# KiCad board Wrap030-ITX.kicad_pcb (continued)
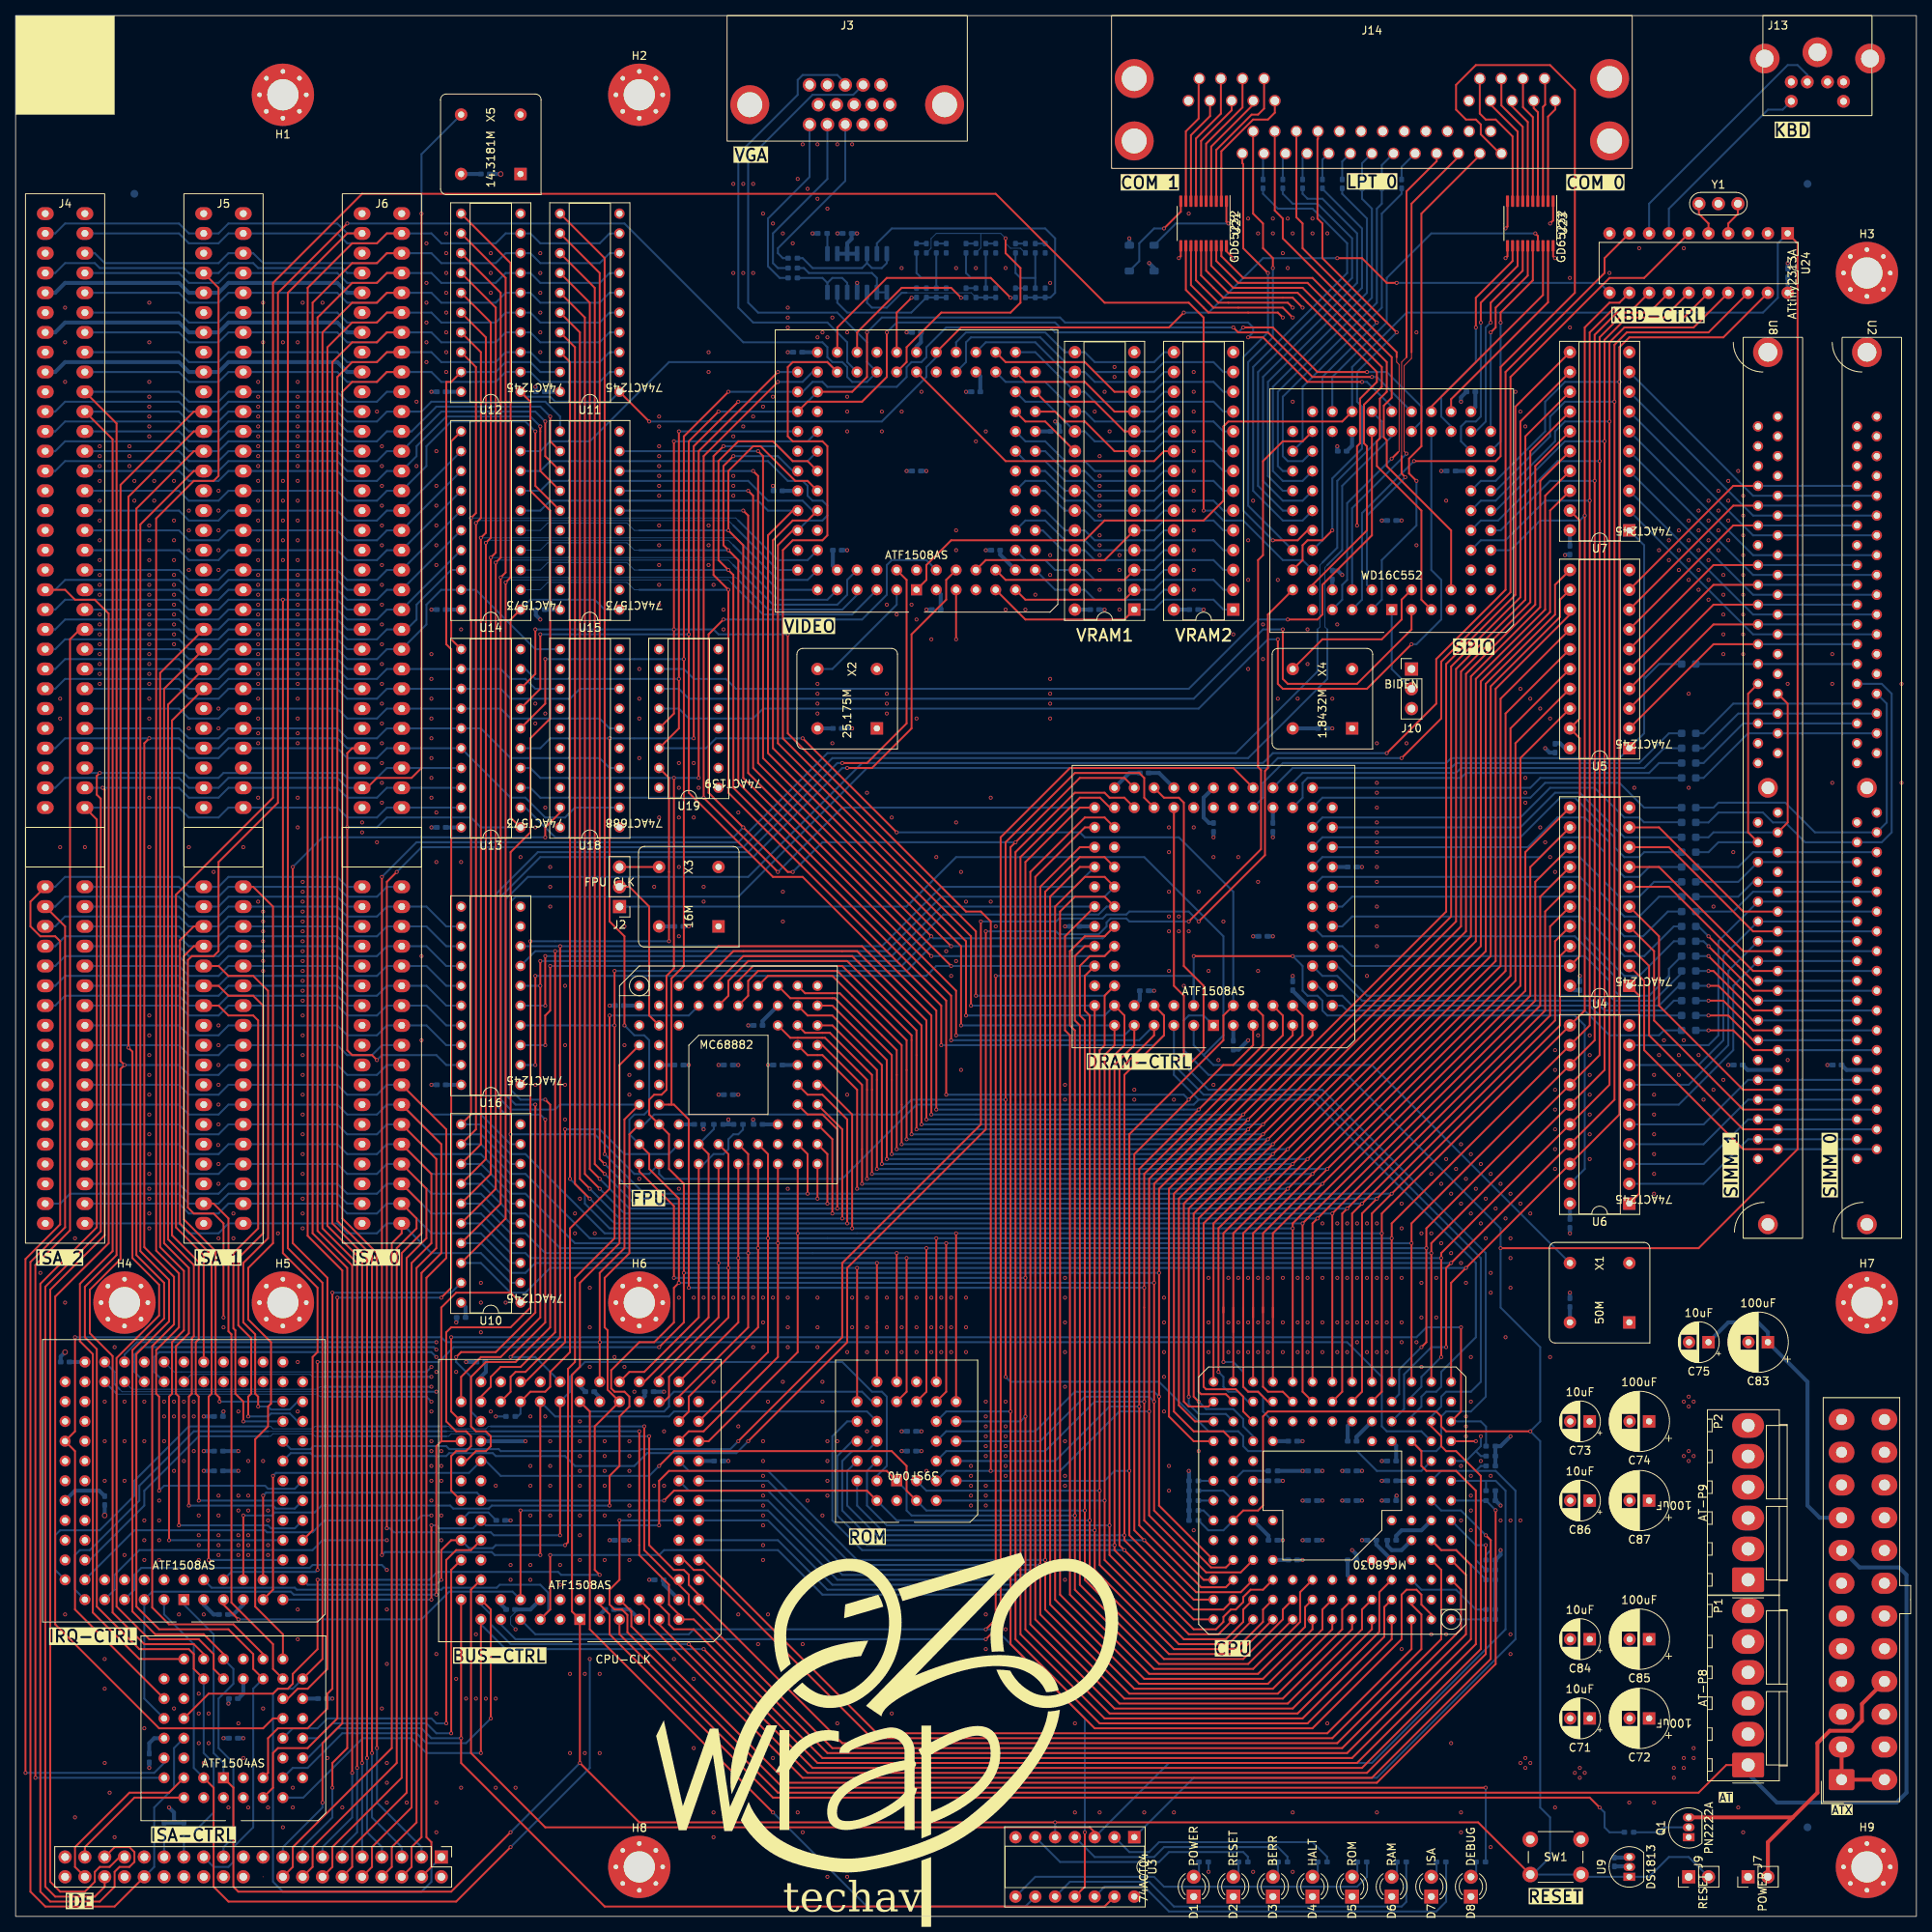
[diagram p0: board, top side]
## Routing (per net, layer and track width the routed paths; a pad name or vN(x,y) marks a point on that pad's centre or on a via; arc(x,y) is an arc through that point) (continued)
CPU-A19: length 399.8
  Top w0.254: v1(70.48,47.62) 70.87,48.01 70.87,70.23 71.75,71.12 71.75,81.92 76.84,87 v1(76.84,114.3) v1(76.84,121.28) ; GLUE1.68 55.88,48.26 54.61,46.99 v1(54.61,43.18) ; RAMC1.68 137.16,124.46 135.89,123.19 135.89,114.94 136.53,114.3 136.53,42.55 146.69,32.39 158.11,32.39 CPU1.A9 ; v1(120.01,124.46) 95.88,148.59 95.88,187.32 v1(95.25,187.96)
  Bottom w0.254: U32.12 37.46,42.55 53.98,42.55 v1(54.61,43.18) ; GLUE1.68 58.17,47.24 61.21,47.24 61.6,47.62 v1(70.48,47.62) ; v1(76.84,121.28) 114.3,121.28 117.47,124.46 v1(120.01,124.46) RAMC1.68 ; v1(76.84,114.3) U16.4 ; U15.9 v1(95.25,187.96)
CPU-A20: length 213.5
  Top w0.254: v1(67.94,123.19) v1(67.94,116.84) ; RAMC1.64 134.62,125.73 134.62,113.67 135.25,113.03 135.25,41.28 145.41,31.12 159.38,31.12 165.42,37.15 165.42,39.69 CPU1.B8
  Bottom w0.254: RAMC1.64 118.75,129.54 112.39,123.19 v1(67.94,123.19) ; v1(67.94,116.84) U16.5
CPU-A21: length 278
  Top w0.254: CPU1.A8 166.37,36.83 160.02,30.48 144.78,30.48 133.98,41.28 133.98,128.91 135.89,130.81 139.7,130.81 RAMC1.65 ; GLUE1.54 57.15,69.22 59.69,71.75 62.23,71.75 67.31,76.84 v1(67.31,119.38) v1(67.31,122.56)
  Bottom w0.254: RAMC1.65 139.95,129.54 138.94,128.52 119,128.52 113.03,122.56 v1(67.31,122.56) ; v1(67.31,119.38) U16.6
CPU-A22: length 288.2
  Top w0.254: v1(69.22,123.83) 69.22,74.93 64.77,70.49 62.23,70.49 60.96,69.22 60.96,67.94 59.69,66.68 GLUE1.55 ; CPU1.B7 167.64,39.37 167.64,36.83 160.66,29.84 144.14,29.84 133.35,40.64 133.35,129.54 137.16,133.35 139.7,133.35 RAMC1.63
  Bottom w0.254: U16.7 66.68,123.83 v1(69.22,123.83) 111.76,123.83 118.75,130.81 139.7,130.81 RAMC1.63
CPU-A23: length 283.4
  Top w0.254: GLUE1.52 63.5,67.31 63.5,69.22 64.13,69.85 65.41,69.85 69.85,74.3 v1(69.85,124.46) ; RAMC1.60 136.53,134.62 132.72,130.81 132.72,40 143.51,29.21 161.29,29.21 168.91,36.83 CPU1.A7
  Bottom w0.254: RAMC1.60 135.89,132.08 118.75,132.08 111.12,124.46 U16.8
CPU-A24: length 200.1
  Top w0.254: RAMC1.58 136.53,137.16 131.44,132.08 131.44,38.74 142.24,27.94 162.56,27.94 171.45,36.83 CPU1.A6
  Bottom w0.254: v1(131.44,45.09) 107.31,45.09 96.52,55.88 GLUE1.24
CPU-A25: length 205.9
  Top w0.254: RAMC1.61 139.7,135.89 136.53,135.89 132.08,131.44 132.08,39.37 142.88,28.58 161.92,28.58 170.18,36.83 170.18,39.37 CPU1.B6
  Bottom w0.254: GLUE1.27 86.36,57.15 96.52,57.15 107.95,45.72 v1(132.08,45.72)
CPU-A26: length 211
  Top w0.254: CPU1.A5 173.99,36.83 163.83,26.67 140.97,26.67 130.17,37.47 130.17,133.99 137.16,140.97 139.7,140.97 RAMC1.57
  Bottom w0.254: v1(130.17,43.81) 106.04,43.81 96.52,53.34 GLUE1.22
CPU-A27: length 210.6
  Top w0.254: CPU1.B5 172.72,39.37 172.72,36.83 163.19,27.31 141.6,27.31 130.81,38.1 130.81,133.35 137.16,139.7 RAMC1.56
  Bottom w0.254: GLUE1.25 86.36,54.61 96.52,54.61 106.68,44.45 v1(130.81,44.45)
CPU-A28: length 223.2
  Top w0.254: RAMC1.52 142.24,143.51 140.33,143.51 139.7,144.15 135.89,144.15 128.27,136.53 v1(128.27,41.91) 128.27,35.56 139.06,24.77 165.73,24.77 176.53,35.56 CPU1.A4
  Bottom w0.254: GLUE1.18 97.79,48.26 104.14,41.91 v1(128.27,41.91)
CPU-A29: length 220.8
  Top w0.254: RAMC1.55 140.38,142.24 139.11,143.51 136.53,143.51 128.91,135.89 128.91,36.19 139.7,25.4 165.1,25.4 175.58,35.88 175.58,39.69 CPU1.B4
  Bottom w0.254: GLUE1.20 96.52,50.8 104.78,42.55 v1(128.91,42.55)
CPU-A30: length 108.9
  Top w0.254: GLUE1.16 88.26,45.72 110.49,23.5 168.28,23.5 179.07,34.29 CPU1.A3
CPU-A31: length 116.3
  Top w0.254: CPU1.B3 179.07,40 180.34,38.74 180.34,34.29 168.91,22.86 109.85,22.86 88.26,44.45 87,44.45 85.72,45.72 GLUE1.17
CPU-CLK: length 451.2
  Top w0.254: U17.43 25.4,16.51 25.4,3.81 27.3,1.91 56.51,1.91 v1(63.5,8.89)
  In1.Cu w0.254: X1.5 196.22,80.65 196.22,60.33 CPU1.E1 187.32,45.09 187.32,34.93 184.15,31.75 74.93,31.75 v1(73.66,33.02) 69.85,36.83 GLUE1.83
  Bottom w0.254: J2.1 114.3,129.54 120.65,135.89 144.78,135.89 154.94,125.73 154.94,113.03 152.4,110.49 ; X1.5 173.99,109.22 153.67,109.22 152.4,110.49 ; 152.4,110.49 151.13,111.76 RAMC1.83 ; v1(73.66,33.02) 73.66,19.05 v1(63.5,8.89) ; U17.43 22.86,19.05 22.86,34.93 19.05,38.74 U32.83
CPU-D0: length 255.7
  Top w0.254: v1(117.47,102.87) 117.47,115.57 108.58,124.46 90.17,124.46 U1.A3 ; U7.11 192.41,193.68 192.41,169.55 183.51,160.66 183.51,128.91 v1(157.48,102.87) 147.95,93.34 147.95,64.14 151.13,60.96 CPU1.K13
  Bottom w0.254: v1(157.48,102.87) v1(117.47,102.87)
CPU-D1: length 252.3
  Top w0.254: CPU1.K12 154.94,62.23 151.13,62.23 148.59,64.77 148.59,92.71 v1(158.11,102.24) 184.15,128.27 184.15,160.34 193.04,169.23 193.04,191.77 U7.12 ; U1.A4 92.07,123.83 107.95,123.83 116.84,114.94 v1(116.84,102.24)
  Bottom w0.254: v1(116.84,102.24) v1(158.11,102.24)
CPU-D2: length 243.9
  Top w0.254: U7.13 193.67,189.87 193.67,168.91 184.78,160.02 184.78,127.64 v1(158.11,100.97) 149.22,92.08 149.22,65.56 151.29,63.5 CPU1.L13 ; v1(115.57,100.97) 115.57,113.67 106.68,122.56 93.98,122.56 91.44,120.02 91.44,118.11 U1.B5
  Bottom w0.254: v1(115.57,100.97) v1(158.11,100.97)
CPU-D3: length 240
  Top w0.254: U7.14 194.31,187.96 194.31,168.59 185.42,159.7 185.42,127 v1(160.02,101.6) 149.86,91.44 149.86,66.04 150.5,65.41 153.03,65.41 CPU1.M13 ; v1(116.2,101.6) 116.2,114.3 107.31,123.19 93.34,123.19 90.17,120.02 U1.A5
  Bottom w0.254: v1(116.2,101.6) v1(160.02,101.6)
CPU-D4: length 236.8
  Top w0.254: v1(150.5,66.68) 150.5,90.81 v1(160.02,100.33) 186.05,126.37 186.05,159.38 194.94,168.28 194.94,186.06 U7.15 ; v1(114.94,100.33) 114.94,113.03 106.04,121.92 94.62,121.92 92.71,120.02 U1.A6
  Bottom w0.254: v1(150.5,66.68) 150.5,65.72 151.76,64.45 155.26,64.45 CPU1.L12 ; v1(114.94,100.33) v1(160.02,100.33)
CPU-D5: length 239.5
  Top w0.254: v1(114.3,99.69) 114.3,112.4 105.41,121.28 95.25,121.28 93.98,120.02 93.98,118.11 U1.B6 ; U7.16 195.58,184.15 195.58,167.96 186.69,159.07 186.69,125.73 v1(160.66,99.69) 151.13,90.17 151.13,66.68 v1(151.76,66.04)
  Bottom w0.254: v1(151.76,66.04) 152.72,65.09 156.21,65.09 157.48,63.82 157.48,62.87 158.75,61.59 CPU1.K11 ; v1(114.3,99.69) v1(160.66,99.69)
CPU-D6: length 225.8
  Top w0.254: U1.A7 96.52,120.65 104.78,120.65 113.66,111.76 v1(113.66,99.06) ; CPU1.M12 155.26,66.99 152.08,66.99 151.76,67.31 151.76,89.53 v1(161.29,99.06) 187.32,125.09 187.32,158.75 196.22,167.64 196.22,182.25 U7.17
  Bottom w0.254: v1(113.66,99.06) v1(161.29,99.06)
CPU-D7: length 223.6
  Top w0.254: U7.18 196.85,180.34 196.85,167.32 187.96,158.43 187.96,124.46 v1(161.29,97.79) 152.4,88.9 152.4,67.94 152.72,67.63 156.53,67.63 157.48,66.68 157.48,64.77 CPU1.L11 ; U1.A8 99.38,117.79 105.09,117.79 112.39,110.49 v1(112.39,97.79)
  Bottom w0.254: v1(112.39,97.79) v1(161.29,97.79)
CPU-D8: length 202.1
  Top w0.254: v1(113.03,98.43) 113.03,111.12 105.73,118.43 101.28,118.43 U1.A9 ; U5.11 197.48,170.81 197.48,167 188.59,158.12 188.59,123.83 v1(163.19,98.43) 153.67,88.9 CPU1.N13
  Bottom w0.254: v1(113.03,98.43) v1(163.19,98.43)
CPU-D9: length 204.2
  Top w0.254: v1(154.3,69.85) 154.3,88.27 v1(160.66,94.62) 189.23,123.19 189.23,157.8 198.12,166.69 198.12,168.91 U5.12 ; U1.C8 99.38,112.71 103.82,112.71 109.22,107.31 v1(109.22,94.62)
  Bottom w0.254: v1(154.3,69.85) 154.94,69.22 154.94,67.94 155.57,67.31 156.84,67.31 158.11,66.04 CPU1.M11 ; v1(109.22,94.62) v1(160.66,94.62)
CPU-D10: length 206.7
  Top w0.254: U1.B9 101.6,115.57 104.78,115.57 111.12,109.22 v1(111.12,96.52) ; v1(154.94,71.12) 154.94,78.11 ; 154.94,77.47 154.94,87.63 v1(163.83,96.52) 189.86,122.56 189.86,157.48 199.39,167 U5.13
  Bottom w0.254: v1(154.94,71.12) 156.21,71.12 157.48,69.85 157.48,67.94 158.11,67.31 159.38,67.31 160.02,66.68 160.02,64.77 CPU1.L10 ; v1(111.12,96.52) v1(163.83,96.52)
CPU-D11: length 196
  Top w0.254: CPU1.N12 156.21,78.11 ; U1.B10 104.78,116.84 111.76,109.86 v1(111.76,97.16) ; U5.14 190.5,156.21 190.5,121.92 v1(165.73,97.16) 156.21,87.63 156.21,74.93
  Bottom w0.254: v1(111.76,97.16) v1(165.73,97.16)
CPU-D12: length 195.8
  Top w0.254: v1(107.95,93.34) 107.95,106.05 103.5,110.49 101.6,110.49 U1.D9 ; 157.48,78.11 157.48,67.94 158.11,67.31 159.38,67.31 160.66,66.04 CPU1.M10 ; 157.48,76.84 157.48,87.63 v1(163.19,93.34) 191.13,121.28 191.13,154.31 U5.15
  Bottom w0.254: v1(107.95,93.34) v1(163.19,93.34)
CPU-D13: length 190.9
  Top w0.254: U5.16 191.77,152.4 191.77,120.65 v1(166.37,95.25) 158.75,87.63 158.75,76.84 ; 158.75,78.11 CPU1.N11 ; v1(109.85,95.25) 109.85,107.95 104.46,113.35 101.28,113.35 U1.C9
  Bottom w0.254: v1(109.85,95.25) v1(166.37,95.25)
CPU-D14: length 191.5
  Top w0.254: U1.C10 104.78,114.3 110.49,108.59 v1(110.49,95.89) ; U5.17 192.41,150.5 192.41,120.02 v1(168.28,95.89) 160.02,87.63 160.02,77.47 ; CPU1.M9 162.56,67.31 160.66,67.31 160.02,67.94 160.02,78.11
  Bottom w0.254: v1(110.49,95.89) v1(168.28,95.89)
CPU-D15: length 183
  Top w0.254: CPU1.N10 161.29,78.11 ; U5.18 193.04,148.59 193.04,119.38 v1(167.64,93.98) 161.29,87.63 161.29,76.84 ; v1(108.58,93.98) 108.58,106.68 103.5,111.76 U1.D10
  Bottom w0.254: v1(108.58,93.98) v1(167.64,93.98)
CPU-D16: length 311.7
  Top w0.254: CPU1.N9 v1(163.83,88.27) 163.83,88.9 193.67,118.75 193.67,136.53 U4.11 ; v1(107.31,88.27) 107.31,102.87 103.5,106.68 U1.F10 ; v1(71.12,94.62) 71.12,199.39 U11.18
  Bottom w0.254: v1(163.83,88.27) 76.2,88.27 73.03,91.44 73.03,92.71 v1(71.12,94.62)
CPU-D17: length 315.4
  Top w0.254: U11.17 71.75,201.3 71.75,93.98 v1(73.66,92.08) ; U4.12 194.31,134.62 194.31,118.11 v1(165.1,88.9) 165.1,67.31 CPU1.M8 ; U1.F9 101.6,105.41 103.5,105.41 106.68,102.24 v1(106.68,88.9)
  Bottom w0.254: v1(165.1,88.9) 76.84,88.9 v1(73.66,92.08)
CPU-D18: length 307.1
  Top w0.254: U4.13 194.94,132.72 194.94,117.47 v1(167,89.53) 166.37,88.9 CPU1.N8 ; U11.16 72.39,203.2 72.39,94.62 v1(73.66,93.34) ; U1.G10 106.04,100.97 v1(106.04,89.53)
  Bottom w0.254: v1(167,89.53) 77.47,89.53 v1(73.66,93.34)
CPU-D19: length 303.2
  Top w0.254: U4.14 195.58,130.81 195.58,116.84 v1(168.91,90.17) CPU1.N7 ; U1.H10 104.78,99.69 v1(104.78,90.17) ; U11.15 73.03,205.11 73.03,95.25 v1(74.93,93.34)
  Bottom w0.254: v1(168.91,90.17) 78.1,90.17 v1(74.93,93.34)
CPU-D20: length 311
  Top w0.254: v1(105.41,90.81) 105.41,100.97 103.5,102.87 101.6,102.87 U1.G9 ; U11.14 73.66,207.01 73.66,95.89 v1(74.93,94.62) ; U4.15 196.22,128.91 196.22,116.21 v1(170.81,90.81) 170.18,90.17 170.18,67.31 CPU1.M7
  Bottom w0.254: v1(170.81,90.81) 78.74,90.81 v1(74.93,94.62)
CPU-D21: length 299.9
  Top w0.254: v1(104.14,91.44) 104.14,97.79 U1.J10 ; U4.16 196.85,127 196.85,115.57 v1(172.72,91.44) 171.45,90.17 CPU1.N6 ; U11.13 74.29,208.92 74.29,96.52 v1(75.56,95.25)
  Bottom w0.254: v1(75.56,95.25) 79.38,91.44 v1(172.72,91.44)
CPU-D22: length 299.6
  Top w0.254: U4.17 197.48,125.09 197.48,114.94 v1(174.62,92.08) 172.72,90.17 172.72,67.31 CPU1.M6 ; U11.12 74.93,210.82 74.93,97.16 v1(75.56,96.52) ; U1.K10 v1(102.87,92.08)
  Bottom w0.254: v1(75.56,96.52) 80.01,92.08 v1(174.62,92.08)
CPU-D23: length 299.4
  Top w0.254: v1(75.56,97.79) 75.56,212.73 U11.11 ; U4.18 198.12,123.19 198.12,114.3 v1(176.53,92.71) 173.99,90.17 CPU1.N5 ; v1(101.6,92.71) 101.6,97.79 U1.J9
  Bottom w0.254: v1(75.56,97.79) 80.65,92.71 v1(101.6,92.71) v1(176.53,92.71)
CPU-D24: length 573.3
  Top w0.254: U12.18 59.05,198.75 59.05,180.02 v1(58.42,179.39) 58.42,102.87 U10.11 ; GLUE1.28 88.9,60.96 100.33,72.39 v1(100.33,87.63) U1.K9 ; CPU1.M5 175.26,67.31 v1(175.26,87.63) 175.26,90.17 U6.11 201.29,116.21 v1(201.29,179.71) 201.29,203.84 204.47,207.01 205.74,207.01 U24.12 ; ROM1.13 v1(120.65,87.63)
  In1.Cu w0.254: v1(53.34,69.22) 51.43,71.12 51.43,80.96 52.39,81.92 52.39,96.84 U10.11
  Bottom w0.127: v1(58.42,179.39) 92.39,179.39 92.71,179.07 ; U32.44 22.54,69.53 37.78,69.53 38.1,69.22 39.37,69.22
  Bottom w0.254: U20.14 191.77,175.26 195.58,179.07 200.66,179.07 v1(201.29,179.71) ; VGEN1.73 101.6,173.99 97.79,173.99 92.71,179.07 ; v1(53.34,69.22) 39.37,69.22 ; v1(175.26,87.63) v1(120.65,87.63) 75.56,87.63 65.41,97.79 63.5,97.79 59.69,101.6 U10.11
CPU-D25: length 571.9
  Top w0.254: U10.12 59.05,100.97 v1(59.05,178.75) 59.69,179.39 59.69,200.66 U12.17 ; CPU1.N4 176.53,88.9 U6.12 201.93,114.3 v1(201.93,181.61) 201.93,203.2 205.1,206.38 207.64,206.38 U24.13 ; U1.J7 96.52,97.79 v1(96.52,87) 96.52,72.39 GLUE1.30 ; ROM1.14 v1(118.11,87)
  In1.Cu w0.254: U10.12 53.02,94.93 53.02,81.6 52.07,80.65 52.07,71.75 v1(53.34,70.49)
  Bottom w0.127: 39.37,69.85 20.32,69.85 U32.45 ; 92.07,178.44 91.44,179.07 59.37,179.07 v1(59.05,178.75)
  Bottom w0.254: v1(201.93,181.61) 196.22,181.61 191.13,176.53 187.96,176.53 U20.15 ; v1(53.34,70.49) 52.71,69.85 39.37,69.85 ; v1(176.53,87) v1(118.11,87) 73.66,87 65.41,95.25 63.5,95.25 59.69,99.06 U10.12 ; 92.07,178.44 97.79,172.72 VGEN1.74
CPU-D26: length 586
  Top w0.254: ROM1.15 119.38,67.31 v1(119.38,86.36) ; CPU1.N3 v1(179.07,86.36) 179.07,88.9 U6.13 202.56,112.4 v1(202.56,184.15) 202.56,202.88 205.42,205.74 209.55,205.74 U24.14 ; GLUE1.29 86.36,62.23 88.26,62.23 97.79,71.75 v1(97.79,86.36) U1.K8 ; U12.16 60.32,202.56 60.32,177.48 v1(59.69,176.85) 59.69,99.06 U10.13
  In1.Cu w0.254: v1(53.98,71.75) 52.71,73.03 52.71,80.33 53.66,81.28 53.66,93.03 U10.13
  Bottom w0.127: 92.71,176.53 92.39,176.85 v1(59.69,176.85)
  Bottom w0.254: U32.46 17.78,69.85 17.78,71.75 18.41,72.39 53.34,72.39 v1(53.98,71.75) ; U20.16 190.5,177.8 196.85,184.15 v1(202.56,184.15) ; 92.71,176.53 97.79,171.45 101.6,171.45 VGEN1.76 ; U10.13 59.69,96.52 63.5,92.71 65.41,92.71 71.75,86.36 v1(119.38,86.36) v1(179.07,86.36)
CPU-D27: length 595.4
  Top w0.254: GLUE1.31 86.36,64.77 86.36,66.68 95.25,75.56 v1(95.25,85.72) U1.K7 ; ROM1.17 116.84,67.31 v1(116.84,85.72) ; U12.15 60.96,204.47 60.96,176.85 v1(60.32,176.21) 60.32,97.16 U10.14 ; U24.15 211.45,205.11 205.74,205.11 203.2,202.56 v1(203.2,186.69) 203.2,110.49 U6.14 180.97,88.27 v1(180.97,85.72) 180.97,73.66 v1(180.34,73.03)
  In1.Cu w0.254: U10.14 54.29,91.12 54.29,80.96 53.34,80.01 53.34,73.34 v1(53.98,72.71)
  Bottom w0.127: v1(60.32,176.21) 60.64,176.53 91.44,176.53 92.07,175.9
  Bottom w0.254: v1(180.34,73.03) 177.48,70.17 177.48,66.99 CPU1.M4 ; VGEN1.75 97.79,170.18 92.07,175.9 ; U10.14 59.69,93.98 63.5,90.17 65.41,90.17 69.85,85.72 v1(116.84,85.72) v1(180.97,85.72) ; v1(53.98,72.71) 53.66,73.03 16.19,73.03 15.24,72.07 15.24,69.85 U32.48 ; U20.17 187.96,179.07 190.18,179.07 197.8,186.69 v1(203.2,186.69)
CPU-D28: length 589.4
  Top w0.254: GLUE1.34 85.09,66.68 93.98,75.56 v1(93.98,85.09) 93.98,97.79 U1.J6 ; CPU1.N2 181.61,86.36 U6.15 203.83,108.59 v1(203.83,189.23) 203.83,202.25 206.06,204.47 213.36,204.47 U24.16 ; U12.14 61.6,206.38 61.6,174.94 v1(60.96,174.31) 60.96,95.25 U10.15 ; ROM1.18 v1(113.03,85.09)
  In1.Cu w0.254: v1(53.98,73.66) 53.98,79.76 54.93,80.71 54.93,89.22 U10.15
  Bottom w0.127: 92.71,173.99 92.39,174.31 v1(60.96,174.31)
  Bottom w0.254: U10.15 59.69,91.44 63.5,87.63 65.41,87.63 67.94,85.09 v1(181.61,85.09) ; VGEN1.77 104.14,168.91 97.79,168.91 92.71,173.99 ; v1(53.98,73.66) 15.56,73.66 13.97,72.07 U32.49 ; v1(93.98,85.09) 94.62,85.09 ; U20.18 189.86,180.34 198.75,189.23 v1(203.83,189.23)
CPU-D29: length 608.1
  Top w0.254: v1(182.88,71.75) v1(182.88,84.46) 182.88,85.09 U6.16 204.47,106.68 v1(204.47,191.77) 204.47,201.93 206.38,203.84 215.26,203.84 U24.17 ; U1.K6 v1(92.71,84.46) 92.71,76.2 GLUE1.33 ; v1(114.3,84.46) 114.3,67.31 ROM1.19 ; U10.16 61.6,93.34 v1(61.6,173.67) 62.23,174.31 62.23,208.28 U12.13
  In1.Cu w0.254: v1(53.34,67.94) 54.61,69.22 54.61,78.11 55.56,79.06 55.56,87.31 U10.16
  Bottom w0.127: v1(61.6,173.67) 61.91,173.99 91.44,173.99 92.07,173.36 ; U32.50 14.92,67.63 38.73,67.63 39.05,67.94 39.37,67.94
  Bottom w0.254: VGEN1.80 106.68,171.45 106.68,169.55 105.41,168.28 97.16,168.28 92.07,173.36 ; v1(204.47,191.77) 198.75,191.77 197.48,190.5 197.48,189.23 189.86,181.61 187.96,181.61 U20.19 ; v1(53.34,67.94) 39.37,67.94 ; U10.16 59.69,88.9 63.5,85.09 65.41,85.09 66.04,84.46 v1(114.3,84.46) v1(182.88,84.46) ; CPU1.M3 179.07,66.68 180.34,67.94 180.34,69.22 v1(182.88,71.75)
CPU-D30: length 619.6
  Top w0.254: v1(183.51,73.03) 183.51,83.19 v1(184.15,83.82) U6.17 205.1,104.78 v1(205.1,194.31) 205.1,201.61 206.69,203.2 217.17,203.2 U24.18 ; ROM1.20 v1(110.49,83.82) ; U10.17 62.23,91.44 v1(62.23,171.77) 62.87,172.4 62.87,210.19 U12.12 ; GLUE1.35 82.55,69.22 90.17,76.84 v1(90.17,83.82) U1.K5
  In1.Cu w0.254: U10.17 56.2,85.41 56.2,78.58 55.24,77.63 55.24,68.58 v1(53.98,67.31)
  Bottom w0.127: 92.71,171.45 92.39,171.77 v1(62.23,171.77) ; 39.37,67.31 13.65,67.31 13.34,67.63
  Bottom w0.254: U20.20 189.86,182.88 196.85,189.87 196.85,192.41 198.75,194.31 v1(205.1,194.31) ; v1(53.98,67.31) 39.37,67.31 ; 92.71,171.45 96.52,167.64 106.04,167.64 107.95,169.55 VGEN1.79 ; U10.17 59.69,86.36 63.5,82.55 65.41,82.55 66.68,83.82 v1(184.15,83.82) ; v1(110.49,83.82) 107.95,83.82 ; CPU1.L4 178.12,65.09 178.12,69.53 181.61,73.03 v1(183.51,73.03) ; U32.51 12.7,69.85 12.7,68.26 13.34,67.63
CPU-D31: length 632.1
  Top w0.254: U24.19 219.07,202.56 207.01,202.56 205.74,201.3 v1(205.74,196.85) 205.74,102.87 U6.18 v1(186.05,83.19) 184.15,81.28 CPU1.N1 ; U10.18 62.87,89.53 v1(62.87,171.13) 63.5,171.77 63.5,212.09 U12.11 ; U1.J5 91.44,97.79 v1(91.44,83.19) 91.44,76.84 83.82,69.22 83.82,66.68 83.19,66.04 GLUE1.36 ; ROM1.21 v1(107.95,83.19)
  In1.Cu w0.254: U10.18 58.42,82.55 58.42,73.98 57.15,72.71 57.15,68.58 54.61,66.04 v1(53.34,66.04)
  Bottom w0.127: v1(62.87,171.13) 63.18,171.45 91.44,171.45 91.92,170.97 ; 39.37,66.68 39.05,66.68 38.73,66.99 13.02,66.99
  Bottom w0.254: VGEN1.81 107.31,167 95.88,167 91.92,170.97 ; 39.37,66.68 52.71,66.68 v1(53.34,66.04) ; 13.02,66.99 U32.52 ; U10.18 59.69,83.82 63.5,80.01 65.41,80.01 68.58,83.19 v1(107.95,83.19) v1(186.05,83.19) ; U20.21 187.96,184.15 189.86,184.15 196.22,190.5 196.22,194.31 198.75,196.85 v1(205.74,196.85)
FC0: length 224
  Top w0.254: CPU1.D2 182.88,44.45 182.88,35.56 169.54,22.22 106.04,22.22 GLUE1.12 87.63,41.28 86.36,42.55 86.36,43.81 85.72,44.45 84.46,44.45 81.28,47.62 v1(81.28,61.59)
  Bottom w0.127: 32.38,61.59 32.7,61.59 33.02,61.91 38.1,61.91 38.42,61.59 38.73,61.59 ; 60.96,61.59 60.64,61.59 60.32,61.91 55.88,61.91 55.56,61.59 55.24,61.59
  Bottom w0.254: v1(81.28,61.59) 60.96,61.59 ; U32.73 9.52,45.72 16.51,52.71 16.51,54.61 23.49,61.59 32.38,61.59 ; 38.73,61.59 55.24,61.59
FC1: length 234.7
  Top w0.254: v1(80.65,62.87) 80.65,46.99 84.46,43.18 GLUE1.15 85.09,42.55 86.36,41.28 86.36,40 104.78,21.59 170.18,21.59 185.42,36.83 185.42,41.91 CPU1.C1
  Bottom w0.127: 38.73,62.87 38.42,62.87 38.1,62.55 33.02,62.55 32.7,62.87 32.38,62.87 ; 55.24,62.87 55.56,62.87 55.88,62.55 60.32,62.55 60.64,62.87 60.96,62.87
  Bottom w0.254: U32.74 5.08,44.45 5.08,48.9 5.71,49.53 10.8,49.53 15.24,53.97 15.24,55.88 22.23,62.87 32.38,62.87 ; 60.96,62.87 v1(80.65,62.87) ; 38.73,62.87 55.24,62.87
FC2: length 237.3
  Top w0.254: CPU1.D1 186.05,43.81 186.05,36.19 170.81,20.96 104.14,20.96 87,38.1 GLUE1.11 85.09,38.74 83.82,40 83.82,42.55 80.01,46.36 v1(80.01,62.23)
  Bottom w0.127: 32.38,62.23 38.73,62.23 ; 55.24,62.23 60.96,62.23
  Bottom w0.254: U32.75 7.62,41.91 7.62,46.36 8.26,46.99 9.52,46.99 15.88,53.34 15.88,55.25 22.86,62.23 32.38,62.23 ; v1(80.01,62.23) 60.96,62.23 ; 38.73,62.23 55.24,62.23
ISA-IRQ2: length 226.4
  Top w0.254: v1(18.41,54.61) 18.41,66.68 18.03,67.06 18.03,72.64 20.95,75.56 20.95,82.49 18.03,85.41 18.03,179.32 22.86,184.15 25.4,184.15 26.03,184.79 26.03,208.92 J5.4
  Bottom w0.254: J6.4 42.54,210.82 41.91,211.46 31.12,211.46 30.48,212.09 27.3,212.09 26.03,210.82 J5.4 22.23,210.82 21.59,211.46 10.8,211.46 10.16,212.09 6.35,212.09 5.08,210.82 J4.4 ; v1(18.41,54.61) 19.05,55.25 32,55.25 32.38,54.86 35.81,54.86 U32.22
ISA-IRQ3: length 161.1
  Top w0.254: v1(23.49,53.34) 23.49,66.68 23.11,67.06 23.11,73.66 23.49,74.04 23.49,83.95 20.07,87.38 20.07,153.42 J5.25
  Bottom w0.254: J4.25 5.08,157.48 6.35,158.75 20.95,158.75 22.23,157.48 J5.25 26.03,157.48 27.3,158.75 41.27,158.75 42.54,157.48 J6.25 ; v1(23.49,53.34) U32.21
ISA-IRQ4: length 168.8
  Top w0.254: J5.24 19.56,155.45 19.56,86.87 22.86,83.57 22.86,74.42 22.61,74.17 22.61,67.06 22.23,66.68 v1(22.23,52.71)
  Bottom w0.254: U32.20 35.81,52.32 33.4,52.32 33.02,52.71 v1(22.23,52.71) ; J6.24 42.54,160.02 41.27,161.29 27.3,161.29 26.03,160.02 J5.24 22.23,160.02 20.95,161.29 6.35,161.29 5.08,160.02 J4.24
ISA-IRQ5: length 175.9
  Top w0.254: v1(20.95,50.17) 20.95,66.68 20.57,67.06 20.57,73.15 22.23,74.8 22.23,83.19 19.05,86.36 19.05,157.48 J5.23